# Altium PCB ISS_PCB.PcbDoc (part 4 of 4)
Units mm, origin at the board's own origin, x right, y up, seen from the top; angles counter-clockwise.
Board outline 90 x 90 mm, 4 copper layers (Signal+Parts, Power, GND, Signal), stack 1.591 mm thick; 230 components, 176 nets, 945 pads, 541 vias.
Unrouted connection lines stored in the file: 132.
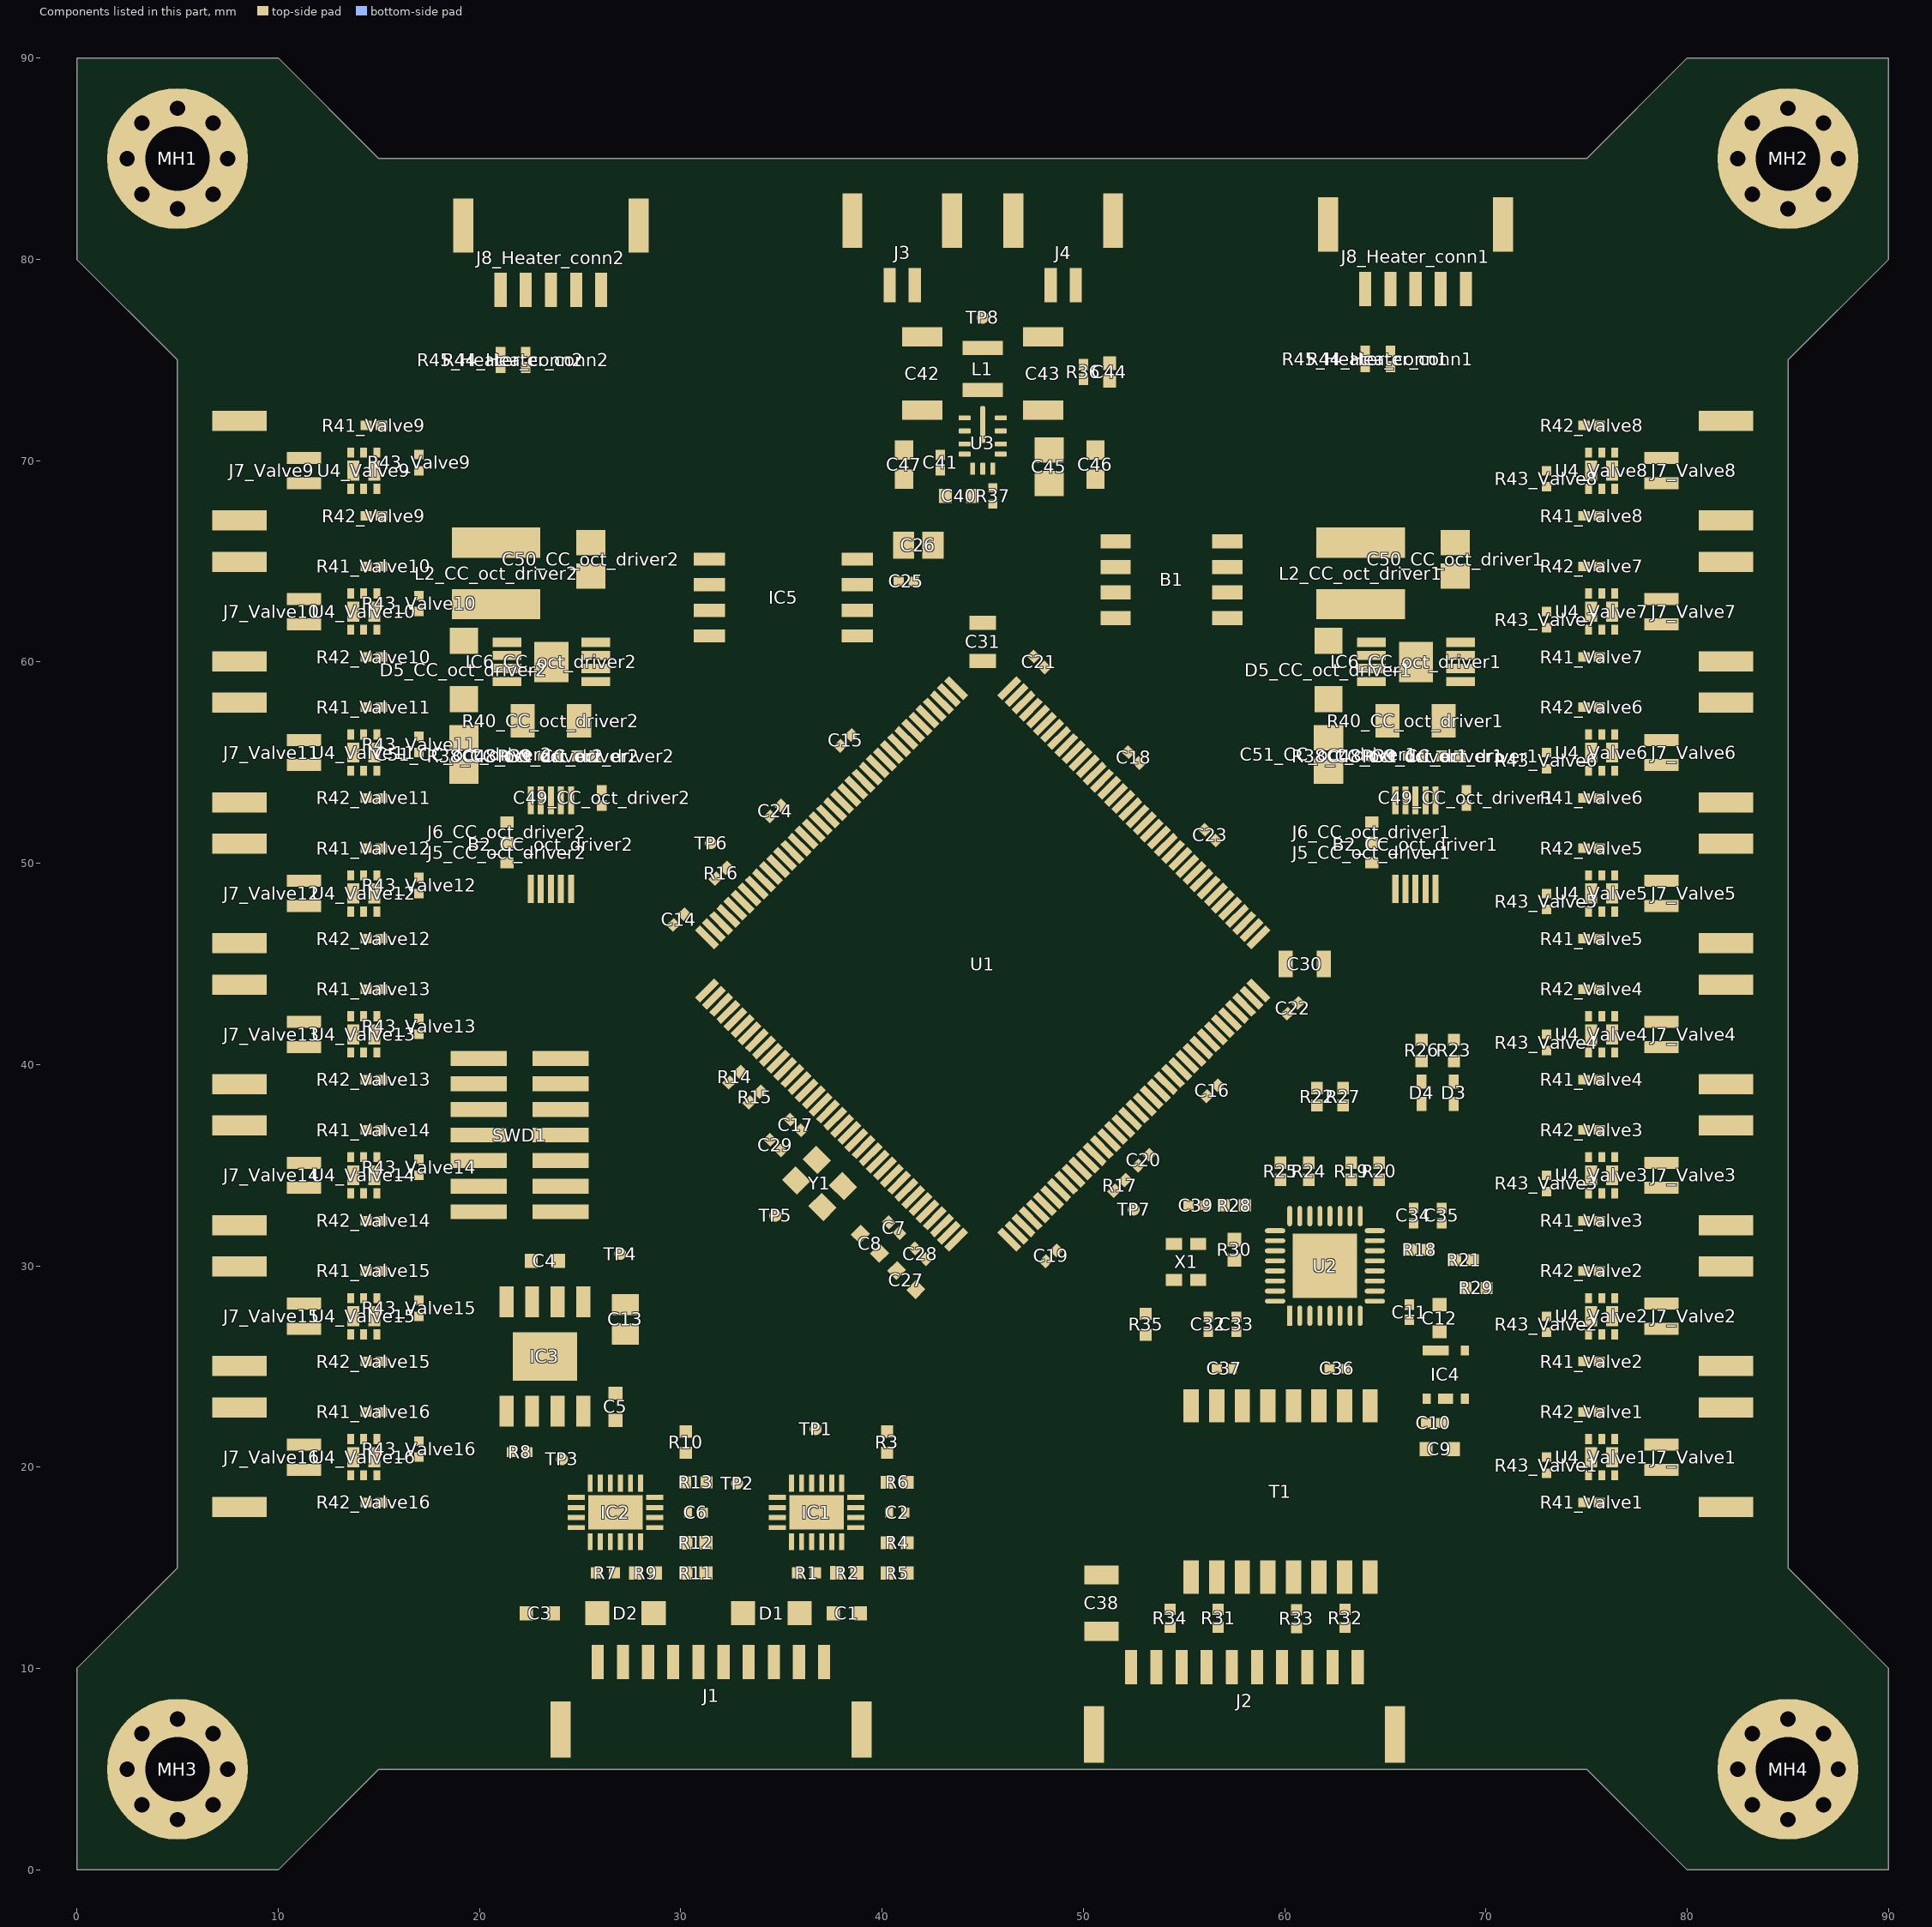
[diagram p6: the components of this part, seen from the top]

## Polygon pours and split planes (outlines as drawn) (continued)
ValveGate8 on Signal+Parts "VALVEGATE8_L01_P1592" (solid, pour order 1592): 58.149,50.224 57.3,49.376 56.876,49.8 57.724,50.649
ValveGate5 on Signal+Parts "VALVEGATE5_L01_P1586" (solid, pour order 1586): 60.719,49.495 59.871,48.646 59.446,49.071 60.295,49.919
VALVE_PWR_EN1 on Signal+Parts "VALVE_PWR_EN1_L01_P1701" (solid, pour order 1701): 58.672,51.726 57.824,50.877 57.4,51.302 58.248,52.15
ValveGate10 on Signal+Parts "VALVEGATE10_L01_P1572" (solid, pour order 1572): 33.024,49.901 32.176,50.75 32.6,51.174 33.449,50.326
ValveGate13 on Signal+Parts "VALVEGATE13_L01_P1575" (solid, pour order 1575): 28.91,42.334 29.759,43.183 30.183,42.759 29.334,41.91
+3V3 on Signal+Parts "+3V3_L01_P1718" (solid, pour order 1718): 23.5,27.4 28,27.4 28,31.2 23.5,31.2
GND on Signal+Parts "GND_L01_P1717" (solid, pour order 1717): 26.1,24.2 26.1,23 28,23 28,27.2 23.1,27.2 23.1,30.7 22.1,30.7 22.1,27.2 20.8,27.2 20.8,24.2
ValveGate1 on Signal+Parts "VALVEGATE1_L01_P1580" (solid, pour order 1580): 58.305,39.419 59.154,38.571 58.729,38.146 57.881,38.995
ValveGate2 on Signal+Parts "VALVEGATE2_L01_P1582" (solid, pour order 1582): 58.083,39.551 57.234,40.4 57.659,40.824 58.507,39.976
GND on Signal+Parts "GND_L01_P1648" (solid, pour order 1648): 67.45,76.225 67.45,77.425 68.05,77.425 68.05,76.225
+12 on Signal+Parts "+12_L01_P1652" (solid, pour order 1652): 68.7,76.225 68.7,77.425 69.3,77.425 69.3,76.225
HEATER_PWM1 on Signal+Parts "HEATER_PWM1_L01_P1656" (solid, pour order 1656): 66.2,76.225 66.2,77.425 66.8,77.425 66.8,76.225
HEAT_I2C_SDA1 on Signal+Parts "HEAT_I2C_SDA1_L01_P1660" (solid, pour order 1660): 64.95,76.225 64.95,77.425 65.55,77.425 65.55,76.225
HEAT_I2C_SCL1 on Signal+Parts "HEAT_I2C_SCL1_L01_P1664" (solid, pour order 1664): 63.7,76.225 63.7,77.425 64.3,77.425 64.3,76.225
GND on Signal+Parts "GND_L01_P1711" (solid, pour order 1711): 41.9,18.7 41.9,19.9 42.5,19.9 42.5,18.7
GND on Signal+Parts "GND_L01_P1709" (solid, pour order 1709): 41.9,17.1 41.9,18.3 42.5,18.3 42.5,17.1
GND on Signal+Parts "GND_L01_P1707" (solid, pour order 1707): 41.9,15.6 41.9,16.8 42.5,16.8 42.5,15.6
GND on Signal+Parts "GND_L01_P1705" (solid, pour order 1705): 41.9,14.1 41.9,15.3 42.5,15.3 42.5,14.1
+12 on Signal+Parts "+12_L01_P1686" (solid, pour order 1686): 35.225,17.875 34,17.875 34,22.3 37.125,22.3 37.125,18.775 35.225,18.775
GND on Signal+Parts "GND_L01_P1699" (solid, pour order 1699): 36.175,18.349 37.375,18.349 37.375,17.15 36.175,17.15
GND on Signal+Parts "GND_L01_P1697" (solid, pour order 1697): 26.125,18.349 27.325,18.349 27.325,17.15 26.125,17.15
+3V3 on Signal+Parts "+3V3_L01_P1695" (solid, pour order 1695): 22.625,26.099 23.825,26.099 23.825,24.9 22.625,24.9
GND on Signal+Parts "GND_L01_P1693" (solid, pour order 1693): 29.699,13.599 32.1,13.599 32.1,11.775 29.699,11.775
+3V3 on Signal+Parts "+3V3_L01_P1691" (solid, pour order 1691): 24.599,31.149 26.4,31.149 26.4,29.325 24.599,29.325
+5 on Signal+Parts "+5_L01_P1689" (solid, pour order 1689): 24.599,21.899 26.4,21.899 26.4,20.075 24.599,20.075
+12 on Signal+Parts "+12_L01_P1687" (solid, pour order 1687): 34.599,21.899 36.4,21.899 36.4,20.075 34.599,20.075
+5 on Signal+Parts "+5_L01_P1685" (solid, pour order 1685): 25.8,23.6 25.8,22.7 27.125,22.7 27.125,18.775 25.225,18.775 25.225,17.875 23.4,17.875 23.4,20.3 22.1,20.3 22.1,21.3 24.5,21.3 24.5,23.6
GND on Signal+Parts "GND_L01_P1684" (solid, pour order 1684): 42.5,14.1 40.75,14.1 40.75,19.975 42.5,19.975
GND on Signal+Parts "GND_L01_P1683" (solid, pour order 1683): 33.75,13.4 30.75,13.4 30.75,19.975 33.75,19.975
NetC1_1 on Signal+Parts "NETC1_1_L01_P1682" (solid, pour order 1682): 37.9,9.4 37.9,14.2 36.1,14.2 36.1,15.3 36.7,15.3 36.7,16.725 35.3,16.725 35.3,17.625 34,17.625 34,9.4
NetC3_1 on Signal+Parts "NETC3_1_L01_P1681" (solid, pour order 1681): 27.5,9.4 27.5,14.2 26.1,14.2 26.1,15.3 26.7,15.3 26.7,16.725 25.3,16.725 25.3,17.625 23.4,17.625 23.4,9.4
GND on Signal+Parts "GND_L01_P1680" (solid, pour order 1680): 28,9.4 28,14.2 33.75,14.2 33.75,9.4
Driver_Out-2 on Signal+Parts "DRIVER_OUT-2_L01_P1596" (solid, pour order 1596): 18.527,66.7 26.327,66.7 26.327,65.1 18.527,65.1
NetD5_CC_oct_driver2_2 on Signal+Parts "NETD5_CC_OCT_DRIVER2_2_L01_P1600" (solid, pour order 1600): 18.527,63.7 18.527,60.1 22.127,60.1 22.127,61.5 23.027,61.5 23.027,63.7
+12 on Signal+Parts "+12_L01_P1602" (solid, pour order 1602): 20.927,54.9 20.927,55.6 18.35,55.6 18.35,59.3 20.45,59.3 22.15,59.3 22.15,58 22.75,58 22.75,55.9 21.85,55.9 21.85,54.9
GND on Signal+Parts "GND_L01_P1604" (solid, pour order 1604): 19.977,53.3 19.977,55.2 18.477,55.2 18.477,53.3
GND on Signal+Parts "GND_L01_P1606" (solid, pour order 1606): 22.95,59.7 24.15,59.7 24.15,59.1 22.95,59.1
GND on Signal+Parts "GND_L01_P1610" (solid, pour order 1610): 22.95,60.3 24.15,60.3 24.15,59.7 22.95,59.7
GND on Signal+Parts "GND_L01_P1614" (solid, pour order 1614): 22.95,60.9 24.15,60.9 24.15,60.3 22.95,60.3
GND on Signal+Parts "GND_L01_P1618" (solid, pour order 1618): 26.55,60.6 26.55,59.4 24.35,59.4 24.35,60.6
+3V3 on Signal+Parts "+3V3_L01_P1628" (solid, pour order 1628): 21.674,48.526 21.674,47.326 21.074,47.326 21.074,48.526
+3V3 on Signal+Parts "+3V3_L01_P1632" (solid, pour order 1632): 26.499,54.001 27.699,54.001 27.699,53.401 26.499,53.401
GND on Signal+Parts "GND_L01_P1636" (solid, pour order 1636): 26.499,53.126 27.699,53.126 27.699,52.526 26.499,52.526
GND on Signal+Parts "GND_L01_P1620" (solid, pour order 1620): 18.627,53.9 19.827,53.9 19.827,53.3 18.627,53.3
VALVE_PWR_EN2 on Signal+Parts "VALVE_PWR_EN2_L01_P1624" (solid, pour order 1624): 26.424,61.176 25.224,61.176 25.224,61.776 26.424,61.776
Driver_Out-2 on Signal+Parts "DRIVER_OUT-2_L01_P1673" (solid, pour order 1673): 23.225,66.499 24.425,66.499 24.425,65.3 23.225,65.3
Driver_Out+2 on Signal+Parts "DRIVER_OUT+2_L01_P1598" (solid, pour order 1598): 26.927,64.9 26.927,66.7 28.75,66.7 28.75,64.9 28.75,54.9 25.25,54.9 25.25,55.9 24.35,55.9 24.35,58 24.95,58 24.95,59.3 26.727,59.3 26.727,62 24.727,62 24.727,64.9
Driver_Out+2 on Signal+Parts "DRIVER_OUT+2_L01_P1677" (solid, pour order 1677): 27.225,66.499 28.425,66.499 28.425,65.3 27.225,65.3
Driver_Out+1 on Signal+Parts "DRIVER_OUT+1_L01_P1670" (solid, pour order 1670): 78.099,14.999 79.299,14.999 79.299,13.8 78.099,13.8
Driver_Out-2 on Signal+Parts "DRIVER_OUT-2_L01_P1668" (solid, pour order 1668): 10.699,14.999 11.899,14.999 11.899,13.8 10.699,13.8
+12 on Signal+Parts "+12_L01_P1448" (solid, pour order 1448): 12.5,18.5 13.7,18.5 13.7,17.9 12.5,17.9
+3V3 on Signal+Parts "+3V3_L01_P1432" (solid, pour order 1432): 15.7,23.1 16.9,23.1 16.9,22.5 15.7,22.5
ValveDrain16 on Signal+Parts "VALVEDRAIN16_L01_P1498" (solid, pour order 1498): 10.4,27.2 12.2,27.2 12.2,20.8 10.4,20.8
ValveGate16 on Signal+Parts "VALVEGATE16_L01_P1480" (solid, pour order 1480): 16.1,20 17.3,20 17.3,19.4 16.1,19.4
GND on Signal+Parts "GND_L01_P1464" (solid, pour order 1464): 15.5,20.4 15.5,21.6 16.1,21.6 16.1,20.4
Driver_Out-2 on Signal+Parts "DRIVER_OUT-2_L01_P1497" (solid, pour order 1497): 10.4,20.2 12.2,20.2 12.2,13.8 10.4,13.8
+12 on Signal+Parts "+12_L01_P1447" (solid, pour order 1447): 12.5,25.5 13.7,25.5 13.7,24.9 12.5,24.9
+3V3 on Signal+Parts "+3V3_L01_P1431" (solid, pour order 1431): 15.7,30.1 16.9,30.1 16.9,29.5 15.7,29.5
ValveDrain15 on Signal+Parts "VALVEDRAIN15_L01_P1496" (solid, pour order 1496): 10.4,34.2 12.2,34.2 12.2,27.8 10.4,27.8
ValveGate15 on Signal+Parts "VALVEGATE15_L01_P1479" (solid, pour order 1479): 16.1,27 17.3,27 17.3,26.4 16.1,26.4
GND on Signal+Parts "GND_L01_P1463" (solid, pour order 1463): 15.5,27.4 15.5,28.6 16.1,28.6 16.1,27.4
+12 on Signal+Parts "+12_L01_P1446" (solid, pour order 1446): 12.5,32.5 13.7,32.5 13.7,31.9 12.5,31.9
+3V3 on Signal+Parts "+3V3_L01_P1430" (solid, pour order 1430): 15.7,37.1 16.9,37.1 16.9,36.5 15.7,36.5
ValveDrain14 on Signal+Parts "VALVEDRAIN14_L01_P1495" (solid, pour order 1495): 10.4,41.2 12.2,41.2 12.2,34.8 10.4,34.8
ValveGate14 on Signal+Parts "VALVEGATE14_L01_P1478" (solid, pour order 1478): 16.1,34 17.3,34 17.3,33.4 16.1,33.4
GND on Signal+Parts "GND_L01_P1462" (solid, pour order 1462): 15.5,34.4 15.5,35.6 16.1,35.6 16.1,34.4
+12 on Signal+Parts "+12_L01_P1445" (solid, pour order 1445): 12.5,39.5 13.7,39.5 13.7,38.9 12.5,38.9
+3V3 on Signal+Parts "+3V3_L01_P1429" (solid, pour order 1429): 15.7,44.1 16.9,44.1 16.9,43.5 15.7,43.5
ValveDrain13 on Signal+Parts "VALVEDRAIN13_L01_P1494" (solid, pour order 1494): 10.4,48.2 12.2,48.2 12.2,41.8 10.4,41.8
ValveGate13 on Signal+Parts "VALVEGATE13_L01_P1477" (solid, pour order 1477): 16.1,41 17.3,41 17.3,40.4 16.1,40.4
GND on Signal+Parts "GND_L01_P1461" (solid, pour order 1461): 15.5,41.4 15.5,42.6 16.1,42.6 16.1,41.4
+12 on Signal+Parts "+12_L01_P1444" (solid, pour order 1444): 12.5,46.5 13.7,46.5 13.7,45.9 12.5,45.9
+3V3 on Signal+Parts "+3V3_L01_P1428" (solid, pour order 1428): 15.7,51.1 16.9,51.1 16.9,50.5 15.7,50.5
ValveDrain12 on Signal+Parts "VALVEDRAIN12_L01_P1493" (solid, pour order 1493): 10.4,55.2 12.2,55.2 12.2,48.8 10.4,48.8
ValveGate12 on Signal+Parts "VALVEGATE12_L01_P1476" (solid, pour order 1476): 16.1,48 17.3,48 17.3,47.4 16.1,47.4
GND on Signal+Parts "GND_L01_P1460" (solid, pour order 1460): 15.5,48.4 15.5,49.6 16.1,49.6 16.1,48.4
+12 on Signal+Parts "+12_L01_P1443" (solid, pour order 1443): 12.5,53.5 13.7,53.5 13.7,52.9 12.5,52.9
+3V3 on Signal+Parts "+3V3_L01_P1427" (solid, pour order 1427): 15.7,58.1 16.9,58.1 16.9,57.5 15.7,57.5
ValveDrain11 on Signal+Parts "VALVEDRAIN11_L01_P1492" (solid, pour order 1492): 10.4,62.2 12.2,62.2 12.2,55.8 10.4,55.8
ValveGate11 on Signal+Parts "VALVEGATE11_L01_P1475" (solid, pour order 1475): 16.1,55 17.3,55 17.3,54.4 16.1,54.4
GND on Signal+Parts "GND_L01_P1459" (solid, pour order 1459): 15.5,55.4 15.5,56.6 16.1,56.6 16.1,55.4
+12 on Signal+Parts "+12_L01_P1442" (solid, pour order 1442): 12.5,60.5 13.7,60.5 13.7,59.9 12.5,59.9
+3V3 on Signal+Parts "+3V3_L01_P1426" (solid, pour order 1426): 15.7,65.1 16.9,65.1 16.9,64.5 15.7,64.5
ValveDrain10 on Signal+Parts "VALVEDRAIN10_L01_P1491" (solid, pour order 1491): 10.4,69.2 12.2,69.2 12.2,62.8 10.4,62.8
ValveGate10 on Signal+Parts "VALVEGATE10_L01_P1474" (solid, pour order 1474): 16.1,62 17.3,62 17.3,61.4 16.1,61.4
GND on Signal+Parts "GND_L01_P1458" (solid, pour order 1458): 15.5,62.4 15.5,63.6 16.1,63.6 16.1,62.4
+12 on Signal+Parts "+12_L01_P1441" (solid, pour order 1441): 77.5,71.5 76.3,71.5 76.3,72.1 77.5,72.1
+3V3 on Signal+Parts "+3V3_L01_P1425" (solid, pour order 1425): 74.3,66.9 73.1,66.9 73.1,67.5 74.3,67.5
ValveDrain8 on Signal+Parts "VALVEDRAIN8_L01_P1490" (solid, pour order 1490): 79.6,62.8 77.8,62.8 77.8,69.2 79.6,69.2
ValveGate8 on Signal+Parts "VALVEGATE8_L01_P1473" (solid, pour order 1473): 73.9,70 72.7,70 72.7,70.6 73.9,70.6
GND on Signal+Parts "GND_L01_P1457" (solid, pour order 1457): 74.5,69.6 74.5,68.4 73.9,68.4 73.9,69.6
Driver_Out-1 on Signal+Parts "DRIVER_OUT-1_L01_P1489" (solid, pour order 1489): 79.6,69.8 77.8,69.8 77.8,73 79.6,73
+12 on Signal+Parts "+12_L01_P1440" (solid, pour order 1440): 77.5,64.5 76.3,64.5 76.3,65.1 77.5,65.1
+3V3 on Signal+Parts "+3V3_L01_P1424" (solid, pour order 1424): 74.3,59.9 73.1,59.9 73.1,60.5 74.3,60.5
ValveDrain7 on Signal+Parts "VALVEDRAIN7_L01_P1488" (solid, pour order 1488): 79.6,55.8 77.8,55.8 77.8,62.2 79.6,62.2
ValveGate7 on Signal+Parts "VALVEGATE7_L01_P1472" (solid, pour order 1472): 73.9,63 72.7,63 72.7,63.6 73.9,63.6
GND on Signal+Parts "GND_L01_P1456" (solid, pour order 1456): 74.5,62.6 74.5,61.4 73.9,61.4 73.9,62.6
+12 on Signal+Parts "+12_L01_P1439" (solid, pour order 1439): 77.5,57.5 76.3,57.5 76.3,58.1 77.5,58.1
+3V3 on Signal+Parts "+3V3_L01_P1423" (solid, pour order 1423): 74.3,52.9 73.1,52.9 73.1,53.5 74.3,53.5
ValveDrain6 on Signal+Parts "VALVEDRAIN6_L01_P1487" (solid, pour order 1487): 79.6,48.8 77.8,48.8 77.8,55.2 79.6,55.2
ValveGate6 on Signal+Parts "VALVEGATE6_L01_P1471" (solid, pour order 1471): 73.9,56 72.7,56 72.7,56.6 73.9,56.6
GND on Signal+Parts "GND_L01_P1455" (solid, pour order 1455): 74.5,55.6 74.5,54.4 73.9,54.4 73.9,55.6
+12 on Signal+Parts "+12_L01_P1438" (solid, pour order 1438): 77.5,50.5 76.3,50.5 76.3,51.1 77.5,51.1
+3V3 on Signal+Parts "+3V3_L01_P1422" (solid, pour order 1422): 74.3,45.9 73.1,45.9 73.1,46.5 74.3,46.5
ValveDrain5 on Signal+Parts "VALVEDRAIN5_L01_P1486" (solid, pour order 1486): 79.6,41.8 77.8,41.8 77.8,48.2 79.6,48.2
ValveGate5 on Signal+Parts "VALVEGATE5_L01_P1470" (solid, pour order 1470): 73.9,49 72.7,49 72.7,49.6 73.9,49.6
GND on Signal+Parts "GND_L01_P1454" (solid, pour order 1454): 74.5,48.6 74.5,47.4 73.9,47.4 73.9,48.6
+12 on Signal+Parts "+12_L01_P1437" (solid, pour order 1437): 77.5,43.5 76.3,43.5 76.3,44.1 77.5,44.1
+3V3 on Signal+Parts "+3V3_L01_P1421" (solid, pour order 1421): 74.3,38.9 73.1,38.9 73.1,39.5 74.3,39.5
ValveDrain4 on Signal+Parts "VALVEDRAIN4_L01_P1485" (solid, pour order 1485): 79.6,34.8 77.8,34.8 77.8,41.2 79.6,41.2
ValveGate4 on Signal+Parts "VALVEGATE4_L01_P1469" (solid, pour order 1469): 73.9,42 72.7,42 72.7,42.6 73.9,42.6
GND on Signal+Parts "GND_L01_P1453" (solid, pour order 1453): 74.5,41.6 74.5,40.4 73.9,40.4 73.9,41.6
+12 on Signal+Parts "+12_L01_P1436" (solid, pour order 1436): 77.5,36.5 76.3,36.5 76.3,37.1 77.5,37.1
+3V3 on Signal+Parts "+3V3_L01_P1420" (solid, pour order 1420): 74.3,31.9 73.1,31.9 73.1,32.5 74.3,32.5
ValveDrain3 on Signal+Parts "VALVEDRAIN3_L01_P1484" (solid, pour order 1484): 79.6,27.8 77.8,27.8 77.8,34.2 79.6,34.2
ValveGate3 on Signal+Parts "VALVEGATE3_L01_P1468" (solid, pour order 1468): 73.9,35 72.7,35 72.7,35.6 73.9,35.6
GND on Signal+Parts "GND_L01_P1452" (solid, pour order 1452): 74.5,34.6 74.5,33.4 73.9,33.4 73.9,34.6
+12 on Signal+Parts "+12_L01_P1435" (solid, pour order 1435): 77.5,29.5 76.3,29.5 76.3,30.1 77.5,30.1
+3V3 on Signal+Parts "+3V3_L01_P1419" (solid, pour order 1419): 74.3,24.9 73.1,24.9 73.1,25.5 74.3,25.5
ValveDrain2 on Signal+Parts "VALVEDRAIN2_L01_P1483" (solid, pour order 1483): 79.6,20.8 77.8,20.8 77.8,27.2 79.6,27.2
ValveGate2 on Signal+Parts "VALVEGATE2_L01_P1467" (solid, pour order 1467): 73.9,28 72.7,28 72.7,28.6 73.9,28.6
GND on Signal+Parts "GND_L01_P1451" (solid, pour order 1451): 74.5,27.6 74.5,26.4 73.9,26.4 73.9,27.6
+12 on Signal+Parts "+12_L01_P1434" (solid, pour order 1434): 77.5,22.5 76.3,22.5 76.3,23.1 77.5,23.1
+3V3 on Signal+Parts "+3V3_L01_P1418" (solid, pour order 1418): 74.3,17.9 73.1,17.9 73.1,18.5 74.3,18.5
Driver_Out+1 on Signal+Parts "DRIVER_OUT+1_L01_P1482" (solid, pour order 1482): 79.6,13.8 77.8,13.8 77.8,20.2 79.6,20.2
ValveGate1 on Signal+Parts "VALVEGATE1_L01_P1466" (solid, pour order 1466): 73.9,21 72.7,21 72.7,21.6 73.9,21.6
GND on Signal+Parts "GND_L01_P1450" (solid, pour order 1450): 74.5,20.6 74.5,19.4 73.9,19.4 73.9,20.6
GND on Signal+Parts "GND_L01_P1449" (solid, pour order 1449): 15.5,69.4 15.5,70.6 16.1,70.6 16.1,69.4
ValveGate4 on Signal+Parts "VALVEGATE4_L01_P1594" (solid, pour order 1594): 58.493,41.69 59.341,40.841 58.917,40.417 58.069,41.266
ValveGate3 on Signal+Parts "VALVEGATE3_L01_P1584" (solid, pour order 1584): 59.093,40.19 59.941,39.341 59.517,38.917 58.669,39.766
ValveGate16 on Signal+Parts "VALVEGATE16_L01_P1578" (solid, pour order 1578): 29.493,39.776 30.341,40.624 30.766,40.2 29.917,39.351
ValveGate15 on Signal+Parts "VALVEGATE15_L01_P1577" (solid, pour order 1577): 29.96,41.276 30.809,42.124 31.233,41.7 30.384,40.851
ValveGate14 on Signal+Parts "VALVEGATE14_L01_P1576" (solid, pour order 1576): 28.41,40.876 29.259,41.724 29.683,41.3 28.834,40.451
ValveGate12 on Signal+Parts "VALVEGATE12_L01_P1574" (solid, pour order 1574): 30.4,48.974 31.249,48.126 30.824,47.701 29.976,48.55
ValveGate9 on Signal+Parts "VALVEGATE9_L01_P1563" (solid, pour order 1563): 32.076,52.699 32.924,51.85 32.5,51.426 31.651,52.274
ValveGate9 on Signal+Parts "VALVEGATE9_L01_P1465" (solid, pour order 1465): 16.1,69 17.3,69 17.3,68.4 16.1,68.4
Driver_Out+2 on Signal+Parts "DRIVER_OUT+2_L01_P1481" (solid, pour order 1481): 10.4,73 12.2,73 12.2,69.8 10.4,69.8
+3V3 on Signal+Parts "+3V3_L01_P1417" (solid, pour order 1417): 15.7,72.1 16.9,72.1 16.9,71.5 15.7,71.5
+12 on Signal+Parts "+12_L01_P1433" (solid, pour order 1433): 12.5,67.5 13.7,67.5 13.7,66.9 12.5,66.9
GND on Signal "GND_L04_P1983" (solid, pour order 1983): 56.332,29.684 56.332,30.884 56.932,30.884 56.932,29.684
GND on Signal "GND_L04_P1979" (solid, pour order 1979): 59.184,25.168 60.384,25.168 60.384,24.568 59.184,24.568
GND on Signal "GND_L04_P1977" (solid, pour order 1977): 43.125,28.646 42.276,27.797 41.852,28.222 42.701,29.07
GND on Signal "GND_L04_P1975" (solid, pour order 1975): 39.225,32.546 38.376,31.697 37.952,32.122 38.801,32.97
GND on Signal "GND_L04_P1973" (solid, pour order 1973): 34.881,33.759 34.032,32.91 33.608,33.335 34.456,34.183
GND on Signal "GND_L04_P1971" (solid, pour order 1971): 34.725,43.746 33.876,42.897 33.452,43.322 34.301,44.17
HEATER_PWM2 on Signal "HEATER_PWM2_L04_P1968" (solid, pour order 1968): 49.151,54.022 48.302,53.173 47.878,53.597 48.726,54.446
GND on Signal "GND_L04_P1966" (solid, pour order 1966): 21.374,12.152 21.374,13.352 21.974,13.352 21.974,12.152
GND on Signal "GND_L04_P1964" (solid, pour order 1964): 39.876,13.348 39.876,12.148 39.276,12.148 39.276,13.348
GND on Signal "GND_L04_P1961" (solid, pour order 1961): 68.132,21.484 68.132,22.684 68.732,22.684 68.732,21.484
GND on Signal "GND_L04_P1959" (solid, pour order 1959): 66.132,25.084 66.132,26.284 66.732,26.284 66.732,25.084
GND on Signal "GND_L04_P1953" (solid, pour order 1953): 55.468,32.791 55.468,31.591 54.868,31.591 54.868,32.791
+3V3 on Signal "+3V3_L04_P1748" (solid, pour order 1748): 57.098,33.799 55.898,33.799 55.898,34.399 57.098,34.399
GND on Signal "GND_L04_P1951" (solid, pour order 1951): 54.741,28.232 53.541,28.232 53.541,28.832 54.741,28.832
GND on Signal "GND_L04_P1949" (solid, pour order 1949): 59.116,61.882 57.916,61.882 57.916,62.482 59.116,62.482
GND on Signal "GND_L04_P1947" (solid, pour order 1947): 59.116,64.432 57.916,64.432 57.916,65.032 59.116,65.032
GND on Signal "GND_L04_P1945" (solid, pour order 1945): 32.016,60.332 30.816,60.332 30.816,60.932 32.016,60.932
GND on Signal "GND_L04_P1943" (solid, pour order 1943): 27.016,37.432 25.816,37.432 25.816,38.032 27.016,38.032
+3V3 on Signal "+3V3_L04_P1941" (solid, pour order 1941): 26.616,33.682 25.416,33.682 25.416,34.282 26.616,34.282
GND on Signal "GND_L04_P1939" (solid, pour order 1939): 26.616,34.932 25.416,34.932 25.416,35.532 26.616,35.532
SWDIO on Signal "SWDIO_L04_P1937" (solid, pour order 1937): 22.541,33.657 21.341,33.657 21.341,34.257 22.541,34.257